# Altium PCB PCB1.PcbDoc (part 4 of 5)
Units mm, origin at the board's own origin, x right, y up, seen from the top; angles counter-clockwise.
Board outline 150 x 50 mm, 6 copper layers (Top Layer, Layer 1, Top Middle Layer, Bottom Middle Layer, Layer 2, Bottom Layer), stack 0.885 mm thick; 361 components, 293 nets, 1358 pads, 565 vias.
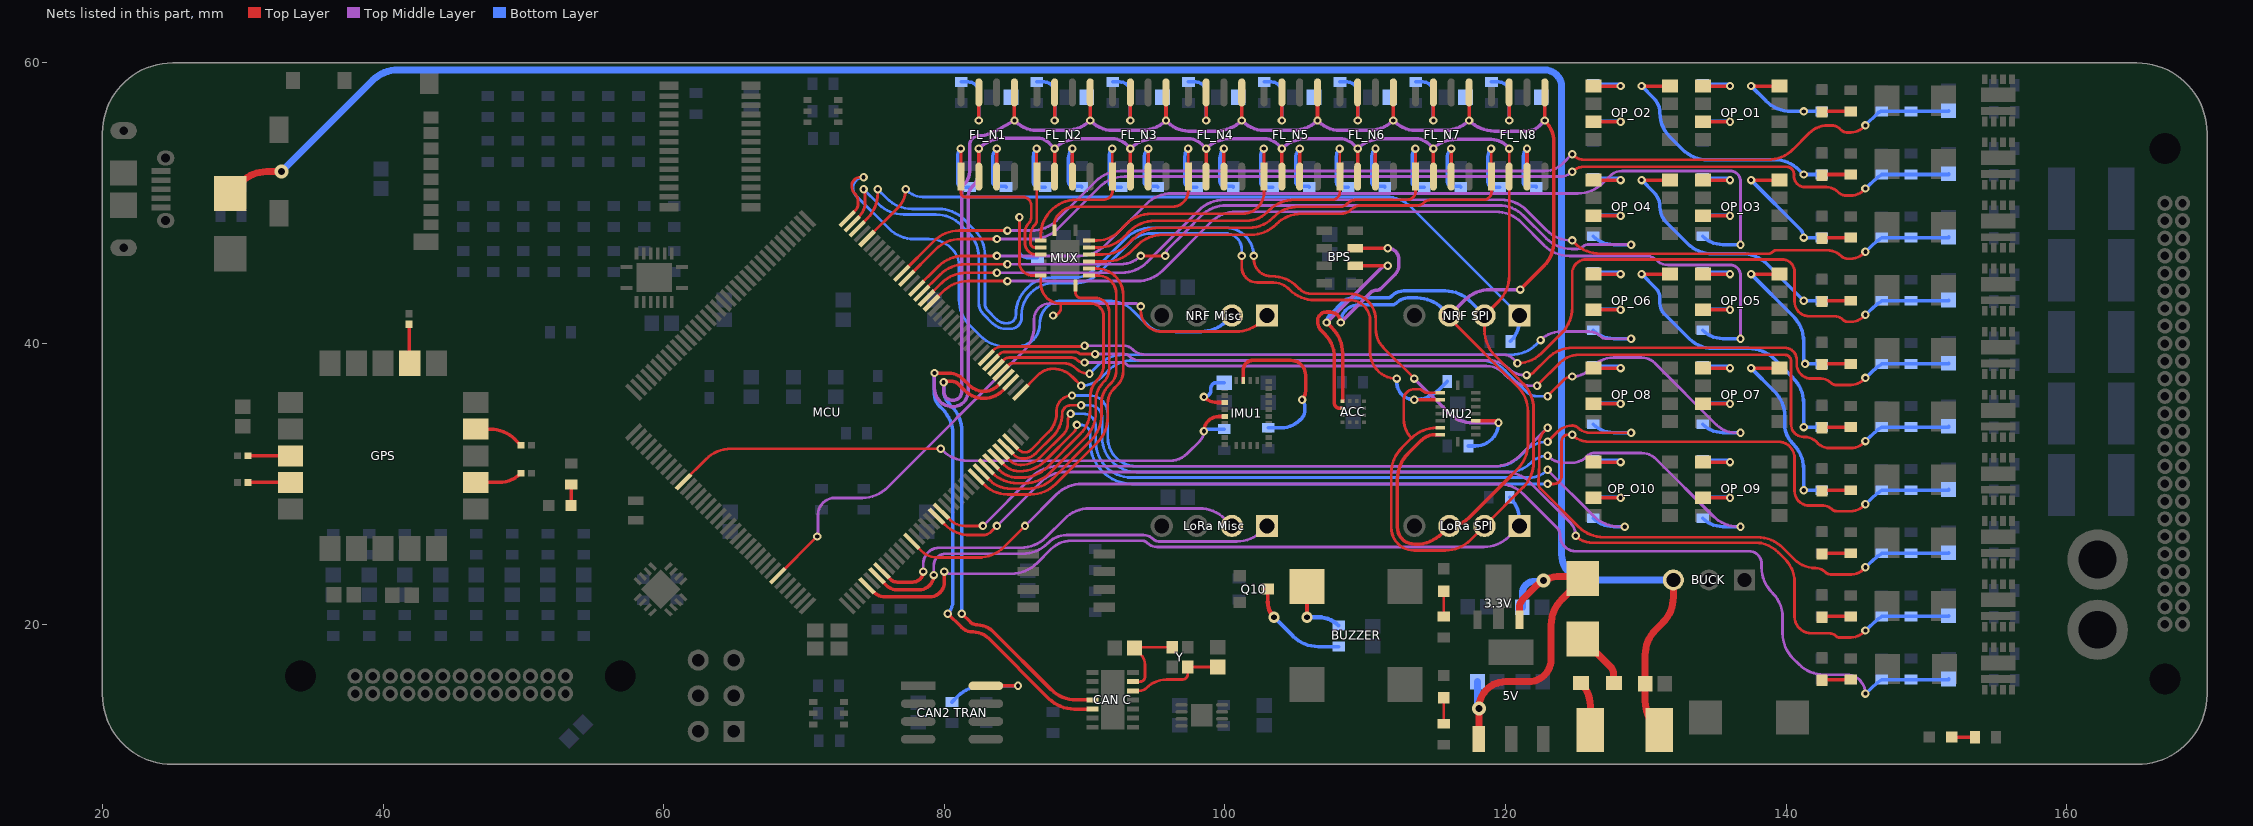
[diagram p8: the nets of this part, all layers, seen from the top]

## Via types
v1: diameter 0.6, hole 0.3, Top Layer to Bottom Layer, 519 vias
v2: diameter 1, hole 0.5, Top Layer to Bottom Layer, 19 vias
v3: diameter 0.8, hole 0.4, Top Layer to Bottom Layer, 17 vias
v4: diameter 6, hole 3.2, Top Layer to Bottom Layer, 5 vias
v5: diameter 0.5, hole 0.3, Top Layer to Bottom Layer, 4 vias
v6: diameter 2, hole 1, Top Layer to Bottom Layer, 1 vias

## Nets (pads, with @x,y where several pads share a name; then routed paths per layer and width w, separated by ;. In a path a pad name is that pad's centre, name@x,y a point inside that pad or via, vN(x,y) a via of type N, cw(c..) or ccw(c..) an arc to the next point about the centre after c; other vN are vias at no path point) (continued)
"HPO PWM3": MCU.130 R1_O3.2 | length 69.5
  Top Layer w0.2: MCU.130@78.028,43.95 79.584,45.506 cw(c81.38,43.71) 81.38,46.25 v1(83.75,46.25)
  Top Middle Layer w0.2: v1(83.75,46.25) 89.648,46.25 ccw(c89.648,48.79) 91.444,46.994 94.406,49.956 cw(c96.202,48.16) 96.202,50.7 125.148,50.7 ccw(c125.148,53.24) 126.944,51.444 127.45,51.95 cw(c128.295,51.105) 128.295,52.3 136,52.3 cw(c136,51.55) 136.75,51.55 v1(136.75,47.05)
  Bottom Layer w0.25: R1_O3.2@134.05,47.65 ccw(c135.499,49.099) 135.499,47.05 v1(136.75,47.05)
"HPO PWM4": MCU.129 R1_O4.2 | length 57
  Top Layer w0.2: MCU.129@78.382,43.597 79.691,44.906 cw(c81.487,43.11) 81.487,45.65 v1(84.5,45.65) ; v1(94,46.25) v1(95.75,46.25)
  Top Middle Layer w0.2: v1(84.5,45.65) 92.551,45.65 ccw(c92.551,47.699) v1(94,46.25) ; v1(95.75,46.25) cw(c96.436,46.25) 95.951,46.735 97.133,47.917 98.438,49.222 cw(c99.952,47.71) 98.487,49.27 cw(c98.624,49.124) 98.497,49.278 cw(c100.102,47.31) 100.102,49.85 119.498,49.85 cw(c119.498,47.31) 121.294,49.106 122.908,47.492 ccw(c124.7,49.285) 124.7,46.75 125.138,46.75 ccw(c125.138,47.262) 125.5,46.9 cw(c125.862,46.538) 125.862,47.05 v1(128.95,47.05)
  Bottom Layer w0.25: R1_O4.2@126.25,47.65 ccw(c127.699,49.099) 127.699,47.05 v1(128.95,47.05)
"HPO PWM5": MCU.127 R1_O5.2 | length 69.1
  Top Layer w0.2: MCU.127@79.089,42.89 79.905,43.706 cw(c81.701,41.91) 81.701,44.45 v1(84.5,44.45)
  Top Middle Layer w0.2: v1(84.5,44.45) 93.748,44.45 ccw(c93.748,46.99) 95.544,45.194 99.006,48.656 cw(c100.802,46.86) 100.802,49.4 119.298,49.4 cw(c119.298,46.86) 121.094,48.656 122.756,46.994 ccw(c124.552,48.79) 124.552,46.25 130.026,46.25 cw(c130.026,45.226) 130.75,45.95 ccw(c131.595,46.795) 131.595,45.6 136,45.6 cw(c136,44.85) 136.75,44.85 v1(136.75,40.35)
  Bottom Layer w0.25: R1_O5.2@134.05,40.95 ccw(c135.499,42.399) 135.499,40.35 v1(136.75,40.35)
"HPO PWM6": MCU.113 R1_O6.2 | length 49.3
  Top Layer w0.2: MCU.113@84.039,37.94 84.592,38.493 cw(c84.85,38.235) 84.85,38.6 88.505,38.6 cw(c88.505,37.405) 89.35,38.25 ccw(c90.316,39.216) 90.316,37.85 v1(90.35,37.85)
  Top Middle Layer w0.2: v1(122.5,40.25) cw(c123.949,38.801) 123.949,40.85 125.955,40.85 cw(c125.955,39.655) 126.8,40.5 ccw(c127.162,40.862) 127.162,40.35 v1(128.95,40.35)
  Bottom Layer w0.2: v1(90.35,37.85) 90.956,38.456 cw(c92.752,36.66) 92.752,39.2 120.398,39.2 ccw(c120.398,41.74) 122.194,39.944 v1(122.5,40.25)
  Bottom Layer w0.25: R1_O6.2@126.25,40.95 ccw(c127.699,42.399) 127.699,40.35 v1(128.95,40.35)
"HPO PWM7": MCU.109 R1_O7.2 | length 59.7
  Top Layer w0.2: MCU.109@85.453,36.526 86.687,37.76 cw(c87.75,36.696) 87.75,38.2 cw(c87.75,36.269) 89.116,37.634 v1(89.75,37) ; v1(123,36.25) 124.153,37.403 cw(c124.75,36.805) v1(124.75,37.65)
  Top Middle Layer w0.2: v1(124.75,37.65) ccw(c124.75,39.461) 126.03,38.18 126.25,38.4 cw(c127.699,36.951) 127.699,39 129.7,39 cw(c129.7,37.672) 130.639,38.611 135.05,34.2 ccw(c136.378,35.528) 136.378,33.65 v1(136.75,33.65)
  Bottom Layer w0.2: v1(89.75,37) ccw(c89.75,39.052) 91.201,37.601 91.656,38.056 cw(c93.452,36.26) 93.452,38.8 118.198,38.8 cw(c118.198,36.26) 119.994,38.056 121.482,36.568 ccw(c122.25,37.336) 122.25,36.25 v1(123,36.25)
  Bottom Layer w0.25: R1_O7.2@134.05,34.25 ccw(c135.499,35.699) 135.499,33.65 v1(136.75,33.65)
"HPO PWM8": MCU.106 R1_O8.2 | length 54.3
  Top Layer w0.2: MCU.106@84.746,32.99 85.299,32.437 ccw(c85.75,32.888) 85.75,32.25 ccw(c85.75,32.854) 86.177,32.427 87.434,33.684 ccw(c86.069,35.05) 88,35.05 88,35.2 cw(c89.1,35.2) v1(89.1,36.3) ; v1(123,33) 123.726,33.726 cw(c124.75,32.701) 124.75,34.15 124.788,34.15 cw(c124.788,33.638) 125.15,34 ccw(c125.995,34.845) 125.995,33.65 v1(128.95,33.65)
  Bottom Layer w0.2: v1(89.1,36.3) 90.35,36.3 cw(c90.35,35) 91.65,35 91.65,33.3 ccw(c93.7,33.3) 93.7,31.25 119.381,31.25 ccw(c119.381,33.469) 120.95,31.9 121.378,32.328 cw(c123,30.706) v1(123,33)
  Bottom Layer w0.25: R1_O8.2@126.25,34.25 ccw(c127.699,35.699) 127.699,33.65 v1(128.95,33.65)
"HPO PWM9": MCU.105 R1_O9.2 | length 63.5
  Top Layer w0.2: MCU.105@84.392,32.637 84.966,32.063 ccw(c85.6,32.696) 85.6,31.8 ccw(c85.6,33.128) 86.539,32.189 87.728,33.378 ccw(c86.106,35) 88.4,35 cw(c89,35) 89,35.6 v1(89.75,35.6)
  Top Middle Layer w0.2: v1(123,32) ccw(c124.207,33.207) 124.207,31.5 124.75,31.5 ccw(c124.75,32.624) 125.206,31.597 cw(c125.287,31.414) 125.23,31.606 ccw(c124.85,32.878) 125.789,31.939 125.85,32 cw(c126.333,31.517) 126.333,32.2 129.7,32.2 cw(c129.7,30.751) 130.724,31.776 134.806,27.694 ccw(c136.602,29.49) 136.602,26.95 v1(136.75,26.95)
  Bottom Layer w0.2: v1(89.75,35.6) 90.35,35.6 cw(c90.35,34.7) 91.25,34.7 91.25,33.3 ccw(c93.7,33.3) 93.7,30.85 120.231,30.85 ccw(c120.231,33.069) 121.8,31.5 121.805,31.505 cw(c123,30.31) v1(123,32)
  Bottom Layer w0.25: R1_O9.2@134.05,27.55 ccw(c135.499,28.999) 135.499,26.95 v1(136.75,26.95)
"HPO PWM10": MCU.104 R1_O10.2 | length 53.9
  Top Layer w0.2: MCU.104@84.039,32.283 84.633,31.688 ccw(c85.45,32.505) 85.45,31.35 ccw(c85.45,33.402) 86.901,31.951 88.517,33.567 ccw(c87.834,34.25) 88.8,34.25 88.8,34.517 cw(c89.483,34.517) v1(89,35)
  Top Middle Layer w0.2: v1(123,31) 126.306,27.694 ccw(c128.102,29.49) 128.102,26.95 v1(128.5,26.95)
  Bottom Layer w0.2: v1(89,35) 89.9,35 cw(c89.9,34.1) 90.8,34.1 90.8,32.99 ccw(c93.34,32.99) 93.34,30.45 121.672,30.45 ccw(c121.672,32.328) v1(123,31)
  Bottom Layer w0.25: R1_O10.2@126.25,27.55 ccw(c127.699,28.999) 127.699,26.95 v1(128.5,26.95)
"HPO VD1": C_H1.2 MCU.133 R5_H1.1 R6_H1.2 | length 79.4
  Top Layer w0.2: MCU.133@76.967,45.011 79.263,47.306 cw(c81.059,45.51) 81.059,48.05 v1(84.5,48.05) ; v1(124.75,53.5) 124.832,53.418 ccw(c125.6,54.186) 125.6,53.1 138.698,53.1 ccw(c138.698,55.64) 140.494,53.844 141.65,55 cw(c142.978,53.672) 142.978,55.55 143.25,55.55 cw(c143.25,54.705) 143.847,55.303 143.95,55.2 ccw(c144.312,55.562) 144.312,55.05 144.6,55.05 ccw(c144.6,56.378) 145.539,55.439 v1(145.65,55.55)
  Top Middle Layer w0.2: v1(84.5,48.05) 86.223,48.05 ccw(c86.223,50.59) 88.019,48.794 90.781,51.556 cw(c92.577,49.76) 92.577,52.3 93.05,52.3 122.8,52.3 ccw(c122.8,54.111) 124.08,52.83 v1(124.75,53.5)
  Bottom Layer w0.25: v1(145.65,55.55) 146.526,56.426 cw(c146.825,56.127) R6_H1.2@146.825,56.55 148.577,56.55 R5_H1.1@148.9,56.55 151.575,56.55 C_H1.2@151.575,56.6
"HPO VD2": C_H2.2 MCU.132 R5_H2.1 R6_H2.2 | length 78.7
  Top Layer w0.2: MCU.132@77.321,44.657 79.37,46.706 cw(c81.166,44.91) 81.166,47.45 v1(83.75,47.45) ; v1(124.75,52.25) cw(c125.595,51.405) 125.595,52.6 125.6,52.6 140.05,52.6 cw(c140.05,52.1) 140.55,52.1 140.55,51.95 ccw(c141.35,51.95) 141.35,51.15 142.855,51.15 cw(c142.855,49.955) 143.7,50.8 ccw(c144.304,51.404) 144.304,50.55 144.6,50.55 ccw(c144.6,51.878) 145.539,50.939 v1(145.65,51.05)
  Top Middle Layer w0.2: v1(83.75,47.45) 86.298,47.45 ccw(c86.298,49.99) 88.094,48.194 91.056,51.156 cw(c92.852,49.36) 92.852,51.9 93.05,51.9 123.905,51.9 ccw(c123.905,53.095) v1(124.75,52.25)
  Bottom Layer w0.25: v1(145.65,51.05) 146.5,51.825 R6_H2.2@146.825,52.05 148.577,52.05 R5_H2.1@148.9,52.05 151.575,52.05 C_H2.2@151.575,52.1
"HPO VD3": C_H3.2 MCU.128 R5_H3.1 R6_H3.2 | length 77.6
  Top Layer w0.2: MCU.128@78.735,43.243 79.798,44.306 cw(c81.594,42.51) 81.594,45.05 v1(83.75,45.05) ; v1@124.75,47.245 v1(124.75,47.35) 124.956,47.144 ccw(c126.752,48.94) 126.752,46.4 138.688,46.4 ccw(c138.688,46.912) 139.05,46.55 cw(c139.291,46.309) 139.291,46.65 142.934,46.65 cw(c142.934,45.284) 143.9,46.25 ccw(c144.383,46.733) 144.383,46.05 144.6,46.05 ccw(c144.6,47.378) 145.539,46.439 v1(145.65,46.55)
  Top Middle Layer w0.2: v1(83.75,45.05) 92.648,45.05 ccw(c92.648,47.59) 94.444,45.794 98.156,49.506 cw(c99.952,47.71) 99.952,50.25 119.698,50.25 cw(c119.698,47.71) 121.494,49.506 122.906,48.094 ccw(c124.702,49.89) 124.702,47.35 v1(124.75,47.35)
  Bottom Layer w0.25: v1(145.65,46.55) 146.5,47.325 R6_H3.2@146.825,47.55 148.577,47.55 R5_H3.1@148.9,47.55 151.575,47.55 C_H3.2@151.575,47.6
"HPO VD4": C_H4.2 MCU.116 R5_H4.1 R6_H4.2 | length 78.2
  Top Layer w0.2: MCU.116@82.978,39.001 83.514,39.537 cw(c84.15,38.9) 84.15,39.8 89.879,39.8 ccw(c89.879,39.971) v1(90,39.85) ; v1(120.85,38.6) ccw(c120.85,41.014) 122.557,39.307 124.006,40.756 ccw(c122.21,42.552) 124.75,42.552 124.75,45 cw(c125.75,45) 125.75,46 139.7,46 cw(c139.7,45.1) 140.6,45.1 140.6,43 ccw(c141.65,43) 141.65,41.95 143.45,41.95 cw(c143.45,41.105) 144.047,41.703 144.05,41.7 ccw(c144.412,42.062) 144.412,41.55 144.6,41.55 ccw(c144.6,42.878) 145.539,41.939 v1(145.65,42.05)
  Top Middle Layer w0.2: v1(90,39.85) 92.796,39.85 cw(c92.796,38.996) 93.4,39.6 ccw(c94.366,40.566) 94.366,39.2 119.914,39.2 cw(c119.914,38.388) 120.488,38.962 v1(120.85,38.6)
  Bottom Layer w0.25: v1(145.65,42.05) 146.5,42.825 R6_H4.2@146.825,43.05 148.577,43.05 R5_H4.1@148.9,43.05 151.575,43.05 C_H4.2@151.575,43.1
"HPO VD5": C_H5.2 MCU.115 R5_H5.1 R6_H5.2 | length 71.7
  Top Layer w0.2: MCU.115@83.331,38.647 83.932,39.248 cw(c84.3,38.88) 84.3,39.4 89.359,39.4 cw(c89.359,39.059) 89.6,39.3 ccw(c89.721,39.421) 89.721,39.25 v1(90.75,39.25) ; v1(121.5,37.75) ccw(c121.5,38.474) 122.012,37.962 123.025,38.975 cw(c124.775,37.225) 124.775,39.7 139.9,39.7 cw(c139.9,38.85) 140.75,38.85 140.75,38.55 ccw(c141.8,38.55) 141.8,37.5 142.476,37.5 cw(c142.476,36.476) 143.2,37.2 ccw(c143.562,37.562) 143.562,37.05 144.6,37.05 ccw(c144.6,38.378) 145.539,37.439 v1(145.65,37.55)
  Top Middle Layer w0.2: v1(90.75,39.25) 92.838,39.25 cw(c92.838,38.738) 93.2,39.1 ccw(c93.924,39.824) 93.924,38.8 118.801,38.8 cw(c118.801,36.751) 120.25,38.2 ccw(c121.336,39.286) 121.336,37.75 v1(121.5,37.75)
  Bottom Layer w0.25: v1(145.65,37.55) 146.5,38.325 R6_H5.2@146.825,38.55 148.577,38.55 R5_H5.1@148.9,38.55 151.575,38.55 C_H5.2@151.575,38.6
"HPO VD6": C_H6.2 MCU.114 R5_H6.1 R6_H6.2 | length 75.6
  Top Layer w0.2: MCU.114@83.685,38.293 84.244,38.853 cw(c84.6,38.497) 84.6,39 89.088,39 cw(c89.088,38.488) 89.45,38.85 ccw(c89.933,39.333) 89.933,38.65 v1(90,38.65) ; v1(122.25,37) 123.896,38.646 cw(c125.233,37.31) 125.233,39.2 139.9,39.2 cw(c139.9,38.75) 140.35,38.75 140.35,34.25 ccw(c141.25,34.25) 141.25,33.35 141.3,33.35 cw(c141.3,32.143) 142.154,32.996 142.25,32.9 ccw(c143.095,33.745) 143.095,32.55 144.6,32.55 ccw(c144.6,33.878) 145.539,32.939 v1(145.65,33.05)
  Top Middle Layer w0.2: v1(90,38.65) 92.638,38.65 cw(c92.638,38.138) 93,38.5 ccw(c93.241,38.741) 93.241,38.4 118.643,38.4 cw(c118.643,36.693) 119.85,37.9 120.006,37.744 ccw(c121.802,39.54) 121.802,37 v1(122.25,37)
  Bottom Layer w0.25: v1(145.65,33.05) 146.5,33.825 R6_H6.2@146.825,34.05 148.577,34.05 148.9,34.05 151.575,34.05 C_H6.2@151.575,34.1
"HPO VD7": C_H7.2 MCU.103 R5_H7.1 R6_H7.2 | length 79.8
  Top Layer w0.2: MCU.103@83.685,31.929 84.265,31.349 ccw(c85.35,32.434) 85.35,30.9 85.398,30.9 ccw(c85.398,33.44) 87.194,31.644 89.238,33.688 ccw(c88.726,34.2) v1(89.45,34.2) ; v1(123,30) 123.45,30 ccw(c123.45,30.55) 124,30.55 124,33.05 cw(c124.45,33.05) 124.45,33.5 v1(124.75,33.5) ccw(c125.957,34.707) 125.957,33 139.45,33 cw(c139.45,31.85) 140.6,31.85 140.6,29.5 ccw(c141.65,29.5) 141.65,28.45 142.646,28.45 cw(c142.646,27.596) 143.25,28.2 ccw(c143.612,28.562) 143.612,28.05 144.6,28.05 ccw(c144.6,29.378) 145.539,28.439 v1(145.65,28.55)
  Bottom Layer w0.2: v1(89.45,34.2) 89.75,34.2 cw(c89.75,33.55) 90.4,33.55 90.4,32.977 ccw(c93.377,32.977) 93.377,30 v1(123,30)
  Bottom Layer w0.25: v1(145.65,28.55) 146.5,29.325 R6_H7.2@146.825,29.55 148.577,29.55 R5_H7.1@148.9,29.55 151.575,29.55 C_H7.2@151.575,29.6
"HPO VD8": C_H8.2 MCU.92 R5_H8.1 R6_H8.2 | length 82.6
  Top Layer w0.2: MCU.92@79.796,28.04 79.81,28.04 80.4,27.45 ccw(c81.486,28.536) 81.486,27 v1(82.75,27) ; v1(123,34) 122.669,33.669 ccw(c122.81,33.527) 122.63,33.614 122.46,33.261 ccw(c123,33) 122.4,33 122.4,31.552 cw(c119.46,31.552) 122.398,31.454 122.35,30.007 ccw(c122.55,30) 122.35,30 ccw(c122.833,30) 122.491,29.659 125.206,26.944 ccw(c127.002,28.74) 127.002,26.2 137.948,26.2 cw(c137.948,23.66) 139.744,25.456 140.564,24.636 ccw(c142.1,26.173) 142.1,24 cw(c142.1,23.034) 142.783,23.717 142.8,23.7 ccw(c143.162,24.062) 143.162,23.55 144.65,23.55 ccw(c144.65,24.757) 145.504,23.904 v1(145.65,24.05)
  Top Middle Layer w0.2: v1(82.75,27) 86.256,30.506 cw(c88.052,28.71) 88.052,31.25 119.198,31.25 ccw(c119.198,33.79) 120.994,31.994 v1(123,34)
  Bottom Layer w0.25: v1(145.65,24.05) 146.5,24.825 R6_H8.2@146.825,25.05 148.577,25.05 R5_H8.1@148.9,25.05 151.575,25.05 C_H8.2@151.575,25.1
"HPO VD9": C_H9.2 MCU.91 R5_H9.1 R6_H9.2 | length 81.8
  Top Layer w0.2: MCU.91@79.442,27.687 80.035,27.094 ccw(c81.831,28.89) 81.831,26.35 82.75,26.35 ccw(c82.75,27.195) 83.347,26.597 v1(83.75,27) ; v1(125,26.3) ccw(c126.207,27.507) 126.207,25.8 137.948,25.8 cw(c137.948,23.66) 138.231,25.781 cw(c138.203,25.583) 138.25,25.778 cw(c137.648,23.31) 139.444,25.106 139.95,24.6 cw(c138.381,23.031) 140.6,23.031 140.6,20.55 ccw(c141.8,20.55) 141.8,19.35 143.067,19.35 cw(c143.067,18.667) 143.55,19.15 ccw(c143.791,19.391) 143.791,19.05 144.6,19.05 ccw(c144.6,20.378) 145.539,19.439 v1(145.65,19.55)
  Top Middle Layer w0.2: v1(83.75,27) 86.856,30.106 cw(c88.652,28.31) 88.652,30.85 119.948,30.85 cw(c119.948,28.31) 121.744,30.106 124.611,27.239 cw(c123.672,26.3) v1(125,26.3)
  Bottom Layer w0.25: v1(145.65,19.55) 146.5,20.325 R6_H9.2@146.825,20.55 148.577,20.55 R5_H9.1@148.9,20.55 151.575,20.55 C_H9.2@151.575,20.6
"HPO VD10": C_H10.2 MCU.86 R5_H10.1 R6_H10.2 | length 85.7
  Top Layer w0.2: MCU.86@77.675,25.919 78.38,25.214 ccw(c79.5,26.334) 79.5,24.75 82.448,24.75 ccw(c82.448,27.29) 84.244,25.494 v1(85.75,27)
  Top Middle Layer w0.2: v1(85.75,27) 88.006,29.256 cw(c89.802,27.46) 89.802,30 119.498,30 cw(c119.498,27.46) 121.294,29.256 123.653,26.897 cw(c123.055,26.3) 123.9,26.3 ccw(c125,26.3) 125,25.2 137.35,25.2 cw(c137.35,24.3) 138.25,24.3 138.25,24.052 ccw(c140.79,24.052) 138.994,22.256 139.05,22.2 cw(c137.36,20.51) 139.75,20.51 139.75,19.352 ccw(c142.29,19.352) 140.494,17.556 140.906,17.144 ccw(c142.702,18.94) 142.702,16.4 144.3,16.4 cw(c144.3,15.05) v1(145.65,15.05)
  Bottom Layer w0.25: v1(145.65,15.05) 146.5,15.825 R6_H10.2@146.825,16.05 148.577,16.05 R5_H10.1@148.9,16.05 151.575,16.05 C_H10.2@151.575,16.1
"IMU1 RST": IMU1.11 MCU.47 R405.2 | length 42.8
  Top Layer w0.2: MCU.47@61.411,30.162 63.006,31.756 cw(c64.802,29.96) 64.802,32.5 v1(79.75,32.5)
  Top Layer w0.254: v1(98.5,33.75) cw(c99.55,33.75) 99.55,34.8 IMU1.11@99.988,34.8
  Top Middle Layer w0.2: v1(79.75,32.5) 79.856,32.394 ccw(c81.652,34.19) 81.652,31.65 96.093,31.65 ccw(c96.093,33.357) 97.3,32.15 98.217,33.067 ccw(c97.534,33.75) v1(98.5,33.75)
  Bottom Layer w0.254: v1(98.5,33.75) cw(c98.862,33.388) 98.862,33.9 R405.2@99.95,33.9
"IMU2 CSBA": IMU2.14 MCU.143 R408.2 | length 64.4
  Top Layer w0.2: MCU.143@73.432,48.546 73.936,49.05 ccw(c72.936,50.05) 74.35,50.05 74.35,50.759 ccw(c74.009,50.759) v1(74.25,51) ; v1(101.2,46.25) 101.2,45.45 ccw(c102.3,45.45) 102.3,44.35 103.464,44.35 cw(c103.464,42.814) 104.55,43.9 104.606,43.844 ccw(c106.402,45.64) 106.402,43.1 108.9,43.1 cw(c108.9,41.65) 110.35,41.65 110.35,39.4 ccw(c112.25,39.4) v1(112.25,37.5)
  Top Layer w0.254: v1(113.5,36) IMU2.14@115.337,36
  Bottom Layer w0.2: v1(74.25,51) 75.306,49.944 ccw(c77.102,51.74) 77.102,49.2 79.398,49.2 cw(c79.398,46.66) 81.194,48.456 81.706,47.944 cw(c79.91,46.148) 82.45,46.148 82.45,42.9 ccw(c83.574,42.9) 82.779,42.105 83.442,41.442 ccw(c84.388,42.386) 84.388,41.05 84.5,41.05 ccw(c84.5,42.05) 84.57,41.052 cw(c84.584,40.853) 84.593,41.053 ccw(c84.699,43.099) 84.699,41.05 84.725,41.05 ccw(c84.725,41.825) 85.5,41.825 85.5,42.031 cw(c87.719,42.031) 86.15,43.6 86.156,43.606 cw(c87.952,41.81) 87.353,44.278 cw(c87.399,44.084) 87.372,44.282 cw(c87.64,42.31) 87.64,44.3 89.264,44.3 89.333,44.3 ccw(c89.334,46.466) 90.154,44.461 cw(c90.229,44.276) 90.158,44.463 ccw(c89.264,46.84) 91.06,45.044 91.108,45.092 93.238,47.222 cw(c94.752,45.71) 94.752,47.85 100.05,47.85 cw(c100.05,46.7) 101.2,46.7 v1(101.2,46.25)
  Bottom Layer w0.254: v1(112.25,37.5) 112.25,37.25 ccw(c113.5,37.25) v1(113.5,36) ccw(c113.5,38.535) 115.293,36.742 R408.2@115.85,37.3
"IMU2 CSBG": IMU2.5 MCU.142 R407.2 | length 69.1
  Top Layer w0.2: MCU.142@73.786,48.193 74.506,48.913 ccw(c72.71,50.709) 75.25,50.709 v1(75.25,51) ; v1(102.05,46.25) 102.05,46.05 ccw(c103.3,46.05) 103.3,44.8 103.348,44.8 cw(c103.348,42.26) 105.144,44.056 105.3,43.9 ccw(c106.145,44.745) 106.145,43.55 108.9,43.55 cw(c108.9,41.7) 110.75,41.7 110.75,41.05 ccw(c112.681,41.05) 111.316,39.684 v1(113.5,37.5)
  Top Layer w0.254: IMU2.5@117.863,34.5 119.5,34.5 v1(119.5,34.35)
  Top Middle Layer w0.254: v1(113.5,37.5) 115.906,35.094 ccw(c117.702,36.89) 117.702,34.35 v1(119.5,34.35)
  Bottom Layer w0.2: v1(75.25,51) 75.906,50.344 ccw(c77.702,52.14) 77.702,49.6 79.598,49.6 cw(c79.598,47.06) 81.394,48.856 82.156,48.094 cw(c80.36,46.298) 82.9,46.298 82.9,42.833 ccw(c83.583,42.833) 83.1,42.35 83.726,41.724 ccw(c84.388,42.386) 84.388,41.45 84.5,41.45 ccw(c84.5,42.05) 85.1,42.05 85.1,42.098 cw(c87.64,42.098) 85.844,43.894 85.95,44 cw(c87.64,42.31) 87.64,44.7 89.15,44.7 89.334,44.7 ccw(c89.334,46.466) 90.39,45.051 90.825,45.375 92.956,47.506 cw(c94.752,45.71) 94.752,48.25 100.05,48.25 cw(c100.05,46.25) v1(102.05,46.25)
  Bottom Layer w0.254: R407.2@117.35,32.7 117.85,32.7 ccw(c117.85,34.35) v1(119.5,34.35)
"LoRa CSN": "LoRa SPI.1" MCU.77 R604.2 | length 51.8
  Top Layer w0.254: MCU.77@74.493,22.737 74.912,22.318 ccw(c75.8,23.206) 75.8,21.95 78.95,21.95 ccw(c78.95,23) 80,23 v1(80,23.75)
  Top Middle Layer w0.2: v1(80,23.75) ccw(c80.362,24.112) 80.362,23.6 84.798,23.6 ccw(c84.798,26.14) 86.594,24.344 87.6,25.35 cw(c89.049,23.901) 89.049,25.95 94.088,25.95 cw(c94.088,25.438) 94.45,25.8 ccw(c95.174,26.524) 95.174,25.5 118.448,25.5 ccw(c118.448,28.04) 120.244,26.244 121,27
  Bottom Layer w0.254: R604.2@120.3,29.05 cw(c118.61,27.36) 121,27.36 121,27
"LoRa INT": "LoRa Misc.1" MCU.79 | length 30.8
  Top Layer w0.254: MCU.79@75.2,23.444 75.872,22.772 ccw(c76.65,23.551) 76.65,22.45 78.2,22.45 ccw(c78.2,23.5) v1(79.25,23.5)
  Top Middle Layer w0.2: v1(79.25,23.5) 79.25,24.2 cw(c80.065,24.2) 80.065,25.015 85.568,25.015 ccw(c85.568,27.555) 87.364,25.759 87.376,25.77 ccw(c85.448,27.99) 87.526,25.91 87.545,25.929 cw(c87.685,25.787) 87.56,25.943 cw(c88.728,24.472) 88.728,26.35 94.176,26.35 cw(c94.176,25.326) 94.9,26.05 ccw(c95.262,26.412) 95.262,25.9 100.848,25.9 ccw(c100.848,28.44) 102.644,26.644 103,27
"LoRa RST": "LoRa Misc.2" MCU.80 | length 28.2
  Top Layer w0.254: MCU.80@75.553,23.798 76.14,23.211 ccw(c76.65,23.722) 76.65,23 77.75,23 ccw(c77.75,23.75) v1(78.5,23.75)
  Top Middle Layer w0.2: v1(78.5,23.75) 78.5,24.3 cw(c79.65,24.3) 79.65,25.45 85.448,25.45 ccw(c85.448,27.99) 87.244,26.194 88.556,27.506 cw(c90.352,25.71) 90.352,28.25 98.198,28.25 cw(c98.198,25.71) 99.994,27.506 100.5,27
MISO: "CAN C.12" "LoRa SPI.2" "NRF SPI.2" ACC.1 BPS.6 FL_N1.2 FL_N2.2 FL_N3.2 FL_N4.2 FL_N5.2 FL_N6.2 FL_N7.2 FL_N8.2 IMU2.10 IMU2.15 MCU.112 | length 193.9
  Top Layer w0.2: IMU2.10@115.337,34 115.102,34 ccw(c115.102,31.46) 113.306,33.256 ; IMU2.15@115.337,36.5 114.391,36.5 cw(c114.391,36.841) 114.15,36.6 ccw(c113.788,36.238) 113.788,36.75 113.5,36.75 ccw(c113.5,36) 112.75,36 112.75,34.598 ccw(c114.648,34.598) 113.306,33.256 ; v1(120.26,53.9) FL_N8.2@120.26,51.9 120.26,44.812 cw(c117.72,44.812) 119.516,43.016 118.5,42 118.5,40.952 ccw(c121.04,40.952) 119.244,39.156 120.9,37.5 121.256,37.144 cw(c119.46,35.348) 122,35.348 122,31.552 cw(c119.46,31.552) 121.256,29.756 118.5,27 117.494,25.994 cw(c115.698,27.79) 115.698,25.25 113.5,25.25 cw(c113.5,26.9) 111.85,26.9 111.85,30.748 cw(c114.39,30.748) 112.594,32.544 113.306,33.256
  Top Layer w0.25: v1(79.3,37.9) 80.3,37.9 cw(c80.3,36.451) 81.324,37.476 81.74,37.06 ccw(c82.85,38.169) 82.85,36.6 ccw(c82.85,37.942) 83.799,36.993 MCU.112@84.392,37.586 ; v1(80.25,20.75) 81.196,19.804 ccw(c82.05,20.657) 82.05,19.45 cw(c82.05,17.881) 83.16,18.99 87.456,14.694 ccw(c89.252,16.49) 89.252,13.95 90.55,13.95 ; v1(107.25,41.5) 107.644,41.106 cw(c105.847,39.31) 108.387,39.31 ACC.1@108.387,35.9 ; BPS.6@109.275,45.55 v1(111.6,45.55)
  Top Layer w0.254: FL_N1.2@82.46,51.9 v1(82.46,53.9) ; FL_N2.2@87.86,51.9 v1(87.86,53.9) ; FL_N3.2@93.26,51.9 v1(93.26,53.9) ; FL_N4.2@98.66,51.9 v1(98.66,53.9) ; FL_N5.2@104.06,51.9 v1(104.06,53.9) ; FL_N6.2@109.46,51.9 v1(109.46,53.9) ; FL_N7.2@114.86,51.9 v1(114.86,53.9)
  Top Middle Layer w0.25: v1(79.3,37.9) 79.3,36.8 ccw(c80.6,36.8) 80.6,35.5 ccw(c80.6,36.6) 81.7,36.6 81.7,50.405 cw(c82.895,50.405) 82.05,51.25 ccw(c81.06,52.24) 82.46,52.24 v1(82.46,53.9) 82.466,53.906 cw(c84.262,52.11) 84.262,54.65 86.6,54.65 cw(c86.6,53.419) 87.47,54.29 v1(87.86,53.9) cw(c89.55,52.21) 89.55,54.6 91.95,54.6 cw(c91.95,53.127) 92.991,54.169 v1(93.26,53.9) cw(c94.95,52.21) 94.95,54.6 97.4,54.6 cw(c97.4,53.248) 98.356,54.204 v1(98.66,53.9) cw(c100.35,52.21) 100.35,54.6 102.8,54.6 cw(c102.8,53.248) 103.756,54.204 v1(104.06,53.9) cw(c105.75,52.21) 105.75,54.6 108.2,54.6 cw(c108.2,53.248) 109.156,54.204 v1(109.46,53.9) cw(c111.15,52.21) 111.15,54.6 113.6,54.6 cw(c113.6,53.248) 114.556,54.204 v1(114.86,53.9) cw(c116.429,52.331) 115.91,54.488 ccw(c115.849,54.735) 115.929,54.494 cw(c116.13,53.9) 116.099,54.526 ccw(c116.084,54.78) 116.118,54.528 cw(c116.429,52.331) 116.429,54.55 119,54.55 cw(c119,53.077) 120.041,54.119 v1(120.26,53.9) ; v1(107.25,41.5) 111.088,45.338 cw(c111.6,44.826) v1(111.6,45.55)
  Bottom Layer w0.25: v1(79.3,37.9) 79.3,36.395 ccw(c80.495,36.395) 79.65,35.55 79.856,35.344 cw(c78.06,33.548) 80.6,33.548 80.6,21.595 cw(c79.405,21.595) v1(80.25,20.75) ; v1(107.25,41.5) cw(c107.974,41.5) 107.462,42.012 108.45,43 cw(c109.054,42.396) 109.054,43.25 111.538,43.25 ccw(c111.538,43.762) 111.9,43.4 cw(c112.745,42.555) 112.745,43.75 115.698,43.75 cw(c115.698,41.21) 117.494,43.006 118.5,42